# Allegro board ad-fmcmotcon1-ebz_layout.brd (continued)
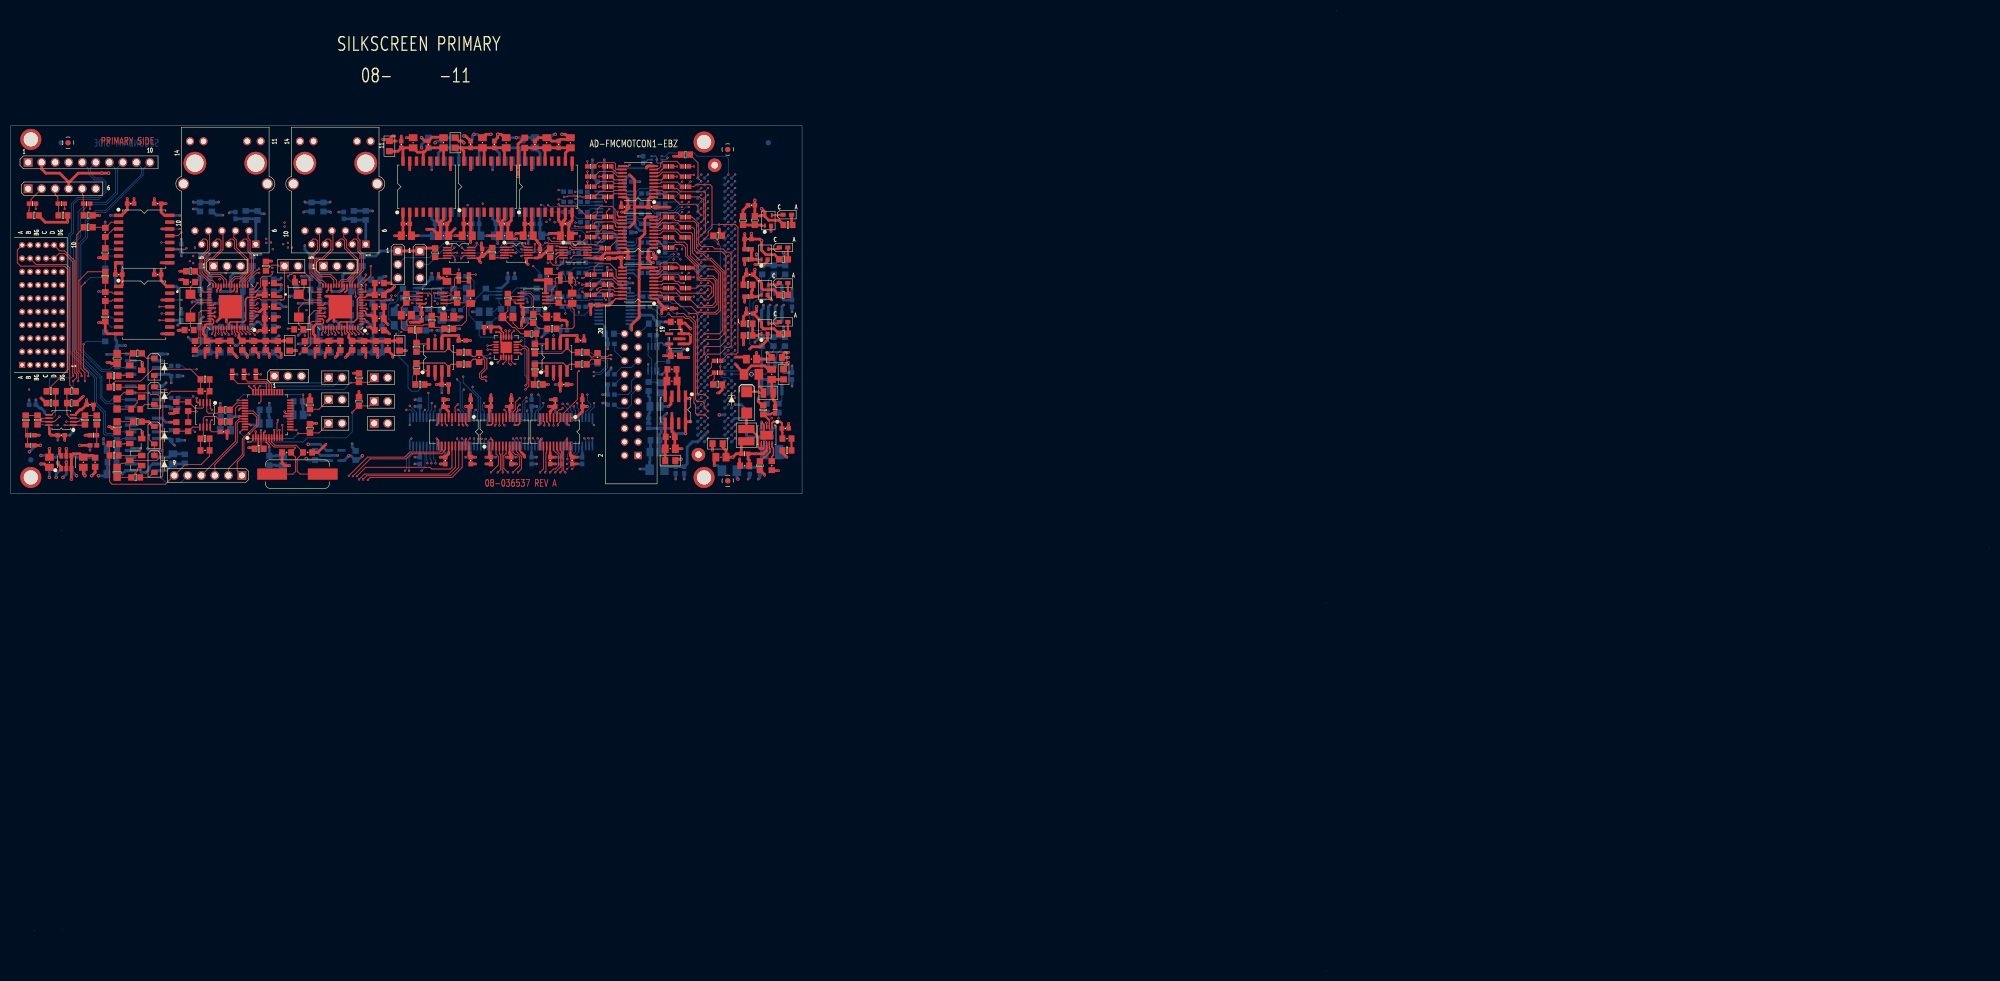
[diagram p0: board, top side]
## Routing (per net, layer and track width the routed paths; a pad name or vN(x,y) marks a point on that pad's centre or on a via; arc(x,y) is an arc through that point) (continued)
  BOTTOM w0.152: P1.G21 v1(130.9,124.08)
PHY2_TX_CLK: length 127.9
  TOP w0.152: v1(64.02,119.52) 64.02,119.66 63.64,120.04 U29.53
  L4_SIGV w0.152: v1(75.41,125.35) 75.41,123.44 74.4,122.43 74.4,119.51 72.62,117.73 65.41,117.73 64.02,119.11 v1(64.02,119.52)
  L5_SIGH w0.152: v1(75.41,125.35) 75.82,125.35 75.95,125.48 76.68,125.48 76.94,125.22 76.94,124.71 76.61,124.39 73.83,124.39 73.51,124.71 73.51,126.49 73.89,126.87 76.56,126.87 77.32,127.63 103.73,127.63 105.89,125.48 111.99,125.48 112.75,126.24 127.93,126.24 128.24,125.92 132.12,125.92 132.75,125.29 133.64,125.29 134.21,124.71 136.63,124.71 136.88,124.97 138.02,124.97 138.81,125.76 138.81,129.9 138.96,130.05 139.27,130.05 139.42,129.9 139.42,125.76 139.57,125.6 139.88,125.6 140.03,125.76 140.03,127.99 140.18,128.14 140.49,128.14 140.64,127.99 140.64,126.01 140.79,125.86 141.2,125.86 141.33,125.98 141.33,130.56 141.07,130.81 138.36,130.81 138.15,130.6 138.15,126.36 137.9,126.11 135.47,126.11 v1(134.71,125.35)
  BOTTOM w0.152: P1.D20 v1(134.71,125.35)
PHY2_TX_CTRL: length 127.9
  TOP w0.152: v1(66.14,119.51) 65.71,119.93 65.64,119.93 65.14,120.43 U29.56
  L4_SIGV w0.152: v1(66.14,119.51) 66.78,118.87 71.03,118.87 72.24,120.08 v1(72.24,126.75)
  L5_SIGH w0.152: v1(134.71,124.08) 135.11,124.08 135.62,123.57 138.91,123.57 139.11,123.37 139.11,122.5 138.91,122.3 135.61,122.3 135.23,122.68 135.23,122.94 134.85,123.32 134.28,123.32 132.94,124.65 128.88,124.65 127.61,125.92 113.7,125.92 112.24,124.46 106.4,124.46 103.61,127.25 80.87,127.25 80.19,126.57 79.27,126.57 78.59,127.25 77.7,127.25 77.34,126.89 77.34,122.96 76.56,122.17 74.65,122.17 74.52,122.05 74.52,121.41 74.2,121.09 71.67,121.09 71.48,121.28 71.48,121.67 71.6,121.79 73.51,121.79 73.63,121.92 73.63,122.3 73.51,122.43 69.44,122.43 69.25,122.62 69.25,123.25 69.35,123.35 76.66,123.35 76.81,123.5 76.81,123.93 76.66,124.08 69.27,124.08 69.19,124.17 69.19,124.84 69.32,124.97 71.73,124.97 72.24,125.48 v1(72.24,126.75)
  BOTTOM w0.152: P1.D21 v1(134.71,124.08)
PHY2_TXD_0: length 128
  TOP w0.152: U29.50 62.14,119.88 62.2,119.81 v1(62.2,119.38)
  L4_SIGV w0.152: v1(62.2,119.38) 64.62,116.97 72.87,116.97 78.62,122.72 78.62,126.49 v1(78.33,126.78)
  L5_SIGH w0.152: v1(134.71,121.54) 135.23,121.54 135.86,120.9 140.94,120.9 141.33,120.52 141.33,111.38 141.2,111.25 140.69,111.25 140.56,111.38 140.56,119 140.06,119.51 135.86,119.51 135.48,119.89 135.48,120.27 134.98,120.78 133.07,120.78 131.8,122.05 130.72,122.05 130.15,121.48 130.15,121.16 129.83,120.84 129.51,120.84 128.75,120.08 128.75,117.58 128.33,117.15 123.11,117.15 122.78,117.47 122.78,121.16 120.5,123.44 112.75,123.44 111.61,122.3 106.46,122.3 104.91,123.86 103.77,123.86 103.1,123.19 100.05,123.19 97.13,126.11 94.46,126.11 93.7,125.35 82.65,125.35 81.51,124.21 80.24,124.21 78.62,125.82 78.62,126.49 v1(78.33,126.78)
  BOTTOM w0.152: P1.D23 v1(134.71,121.54)
PHY2_TXD_1: length 127.6
  TOP w0.152: v1(62.84,119.57) 62.64,119.77 U29.51
  L4_SIGV w0.152: v1(62.84,119.57) 65.06,117.35 72.75,117.35 77.13,121.73 77.13,125.29 v1(77.95,126.11)
  L5_SIGH w0.152: v1(77.95,126.11) 78.24,125.82 78.24,125.7 80.11,123.83 81.64,123.83 82.78,124.97 97.38,124.97 99.57,122.78 105.35,122.78 106.21,121.92 111.73,121.92 112.88,123.06 120.37,123.06 122.4,121.03 122.4,116.71 122.91,116.2 127.81,116.2 129.13,117.53 129.13,119.13 130.15,120.14 130.15,120.52 130.4,120.78 132.31,120.78 135.23,117.86 135.23,117.47 135.61,117.09 137.01,117.09 138.02,116.08 138.02,105.92 138.35,105.59 138.99,105.59 139.32,105.92 139.32,117.71 138.28,118.75 136.88,118.75 136.63,118.49 135.74,118.49 135.48,118.75 135.48,119.08 134.71,119.86 v1(134.71,120.27)
  BOTTOM w0.152: P1.D24 v1(134.71,120.27)
PHY2_TXD_2: length 127.9
  TOP w0.152: v1(64.74,119.38) 64.46,119.67 64.46,119.73 64.14,120.05 U29.54
  L4_SIGV w0.152: v1(64.74,119.38) 66.01,118.11 72.49,118.11 73.32,118.94 v1(73.32,119.89)
  L5_SIGH w0.152: v1(73.32,119.89) 75.86,119.89 78.17,122.21 86.24,122.21 87.99,123.95 97,123.95 99.29,121.67 104.56,121.67 105.38,120.84 112.37,120.84 113.64,122.11 119.8,122.11 120.69,121.22 120.69,117.67 121.39,116.97 121.39,110.67 122.28,109.78 124.74,109.78 129.51,114.55 131.29,114.55 131.8,114.05 131.8,100.46 132.82,99.44 136.25,99.44 137.26,100.46 137.26,113.72 136.55,114.43 134.47,114.43 134.08,114.82 134.08,117.1 v1(134.71,117.73)
  BOTTOM w0.152: P1.D26 v1(134.71,117.73)
PHY2_TXD_3: length 127
  TOP w0.152: v1(65.38,119.57) 64.64,120.31 U29.55
  L4_SIGV w0.152: v1(65.38,119.57) 66.46,118.49 71.92,118.49 72.36,118.94 v1(72.36,119.57)
  L5_SIGH w0.152: v1(134.71,116.46) 135.34,115.82 137.34,115.82 137.64,115.52 137.64,98.55 137.39,98.3 131.93,98.3 131.42,98.81 131.42,113.16 131.29,113.28 129.51,113.28 125.7,109.47 122.15,109.47 121.01,110.62 121.01,116.84 120.37,117.47 120.37,121.03 119.61,121.79 113.96,121.79 112.69,120.52 99.99,120.52 96.94,123.57 88.11,123.57 86.33,121.79 78.4,121.79 75.86,119.25 72.68,119.25 v1(72.36,119.57)
  BOTTOM w0.152: P1.D27 v1(134.71,116.46)
PHY2_VDD_3V3: length 69.3
  TOP w0.254: v1(59.03,124.33) 58.96,124.4 U29.36
  L4_SIGV w0.152: P15.11 66.45,156.84 57.96,156.84 P15.13 55.73,156.84 53.31,156.84 51.28,154.81 51.28,141.35 52.3,140.34 52.3,138.87 54.2,136.96 54.2,135.76 57,132.97 57,127.76 58.27,126.49 58.27,125.09 v1(59.03,124.33)
  BOTTOM w0.508: C152.1 57.76,118.52 57.76,120.21 58.08,120.52 E5.2 ; C152.1 C165.1 ; C152.1 C146.1 C158.1 ; E5.2 C170.1 ; E5.2 57.44,121.48 57.44,123.33 58.45,124.33 v1(59.03,124.33)
PHY2_VDDO: length 27.1
  TOP w0.254: 63.16,121.79 64.43,121.79 65.06,122.43 65.06,126.08 65.38,126.4 U29.11 66.54,126.4 66.97,126.83 ; 63.16,121.79 61.89,121.79 61.64,121.54 U29.49 ; 63.16,121.79 63.14,121.77 U29.52 63.14,120 63.47,119.66 63.47,119.25
  TOP w0.508: E4.2 71.96,118.3 71.86,118.2 C174.1 C171.1 C166.1 C159.1 63.47,118.83 63.47,119.25 ; 66.97,126.83 67.01,126.87 C176.1 C178.1
PHY_VDDO_SEL: length 44.2
  TOP w0.152: U28.10 45.99,125.9 46.33,126.24 46.65,126.24 46.96,125.92 v1(50.77,125.92) 51.17,125.92 51.41,126.16 P14.1 50.36,132.27 50.16,132.46 49.01,132.46 47.97,131.42 R198.2 ; U29.10 71.04,125.9 71.48,126.34 v1(71.48,126.75)
  L5_SIGH w0.152: v1(71.48,126.75) 65.51,126.75 65.27,126.99 63.72,126.99 62.65,125.92 v1(50.77,125.92)
POWER_ON_RESET_N: length 31.7
  TOP w0.152: R65.1 111.42,126.24 v1(111.73,125.92)
  L4_SIGV w0.152: v1(111.73,125.92) 110.21,124.4 110.21,123.13 106.78,119.7 106.78,115.25 103.35,111.82 103.35,110.24 102.53,109.41 101.57,109.41 99.03,106.87 97.45,106.87 96.3,105.73 95.99,105.73 v1(95.54,105.28)
  BOTTOM w0.152: v1(95.54,105.28) 95.22,104.97 U45.3
POWER_ON_RESET_N_ISO: length 56.2
  TOP w0.152: v1(46.65,106.55) 46.98,106.89 U26.33
  L4_SIGV w0.152: v1(46.65,106.55) 46.65,104.2 47.98,102.87 54.78,102.87 56.43,101.22 67.54,101.22 68.43,100.33 94.59,100.33 v1(94.97,99.95)
  BOTTOM w0.152: v1(94.97,99.95) 95.22,99.69 U45.18
PWM_AH: length 59
  TOP w0.152: v1(84.94,102.36) 84.75,102.55 U5.3
  L4_SIGV w0.152: v1(84.94,102.36) 85.83,103.25 89.76,103.25 92.37,105.85 92.37,107.63 100.94,116.2 100.94,124.97 104.37,128.4 104.37,130.81 104.85,131.29 106.63,131.29 108.31,132.97 108.31,137.29 106.65,138.94 103.35,138.94 v1(101.96,137.54)
  BOTTOM w0.152: v1(101.96,137.54) 102.62,137.54 103.44,136.72 R47.1
PWM_AH_ISO: length 104.9
  TOP w0.152: v1(67.03,92.13) 67.49,92.58 82.84,92.58 84.75,94.49 U5.18
  L5_SIGH w0.152: v1(67.03,92.13) 65.9,91 23.41,91 16.99,97.41 16.99,110.11 14.83,112.27 4.42,112.27 3.97,112.72 3.15,112.72 P2.A1
PWM_AL: length 51.3
  TOP w0.152: U5.4 v1(84.11,102.43)
  L4_SIGV w0.152: v1(84.11,102.43) 85.32,103.63 89.51,103.63 91.92,106.05 91.92,107.82 100.62,116.52 100.62,125.49 103.86,128.73 103.86,131.06 104.39,131.6 106.17,131.6 107.12,132.55 107.12,137.63 v1(106.83,137.92)
  BOTTOM w0.152: v1(106.83,137.92) 106.83,136.89 R35.1
PWM_AL_ISO: length 103.4
  TOP w0.152: v1(66.14,92.2) 66.84,92.9 82.52,92.9 84.11,94.49 U5.17
  L5_SIGH w0.152: P2.B1 4.21,113.16 4.21,113.12 4.74,112.59 16.68,112.59 17.88,111.38 17.88,97.16 23.72,91.31 65.25,91.31 v1(66.14,92.2)
PWM_BH: length 41.9
  TOP w0.152: v1(83.92,106.3) 83.41,105.79 83.41,104.93 83.48,104.86 U5.5
  L4_SIGV w0.152: v1(100.81,132.84) 91.8,123.83 91.8,116.14 89.76,114.11 89.76,110.49 89,109.73 89,108.2 87.48,106.68 84.3,106.68 v1(83.92,106.3)
  BOTTOM w0.152: v1(100.81,132.84) 100.81,133.36 101.43,133.99 102.62,133.99 103.44,134.81 R48.1
PWM_BH_ISO: length 104.4
  TOP w0.152: U5.16 83.48,94.49 82.21,93.22 66.4,93.22 v1(65.38,92.2)
  L5_SIGH w0.152: v1(65.38,92.2) 64.81,91.63 25.95,91.63 19.15,98.42 19.15,111.51 16.99,113.66 15.09,113.66 13.94,114.81 9.19,114.81 9.18,114.8 3.57,114.8 P2.A2
PWM_BL: length 48.5
  TOP w0.152: U5.6 v1(82.84,102.43)
  L4_SIGV w0.152: v1(82.84,102.43) 84.43,104.01 89.19,104.01 91.54,106.36 91.54,108.27 98.72,115.44 98.72,125.03 103.1,129.41 103.1,130.94 104.11,131.95 105.7,131.95 106.34,132.59 106.34,134.18 v1(105.69,134.82)
  BOTTOM w0.152: v1(105.69,134.82) 105.77,134.75 106.59,134.75 R36.1
PWM_BL_ISO: length 102.1
  TOP w0.152: v1(65,92.84) 66.65,94.49 78.71,94.49 79.03,94.17 82.52,94.17 82.84,94.49 U5.15
  L5_SIGH w0.152: v1(65,92.84) 64.11,91.95 47.6,91.95 45.31,94.23 24.1,94.23 19.53,98.81 19.53,111.63 17.12,114.05 15.34,114.05 14.26,115.13 4.74,115.13 P2.B2
PWM_CH: length 44.3
  TOP w0.152: U5.8 81.57,102.68 v1(81.89,102.36)
  L4_SIGV w0.152: v1(102.59,131.83) 102.59,129.41 98.4,125.22 98.4,115.76 91.1,108.46 91.1,106.55 88.94,104.39 83.52,104.39 81.89,102.77 v1(81.89,102.36)
  BOTTOM w0.152: v1(102.59,131.83) 102.88,132.12 102.88,132.35 103.44,132.91 R49.1
PWM_CH_ISO: length 102.6
  TOP w0.152: U5.13 81.57,97.85 81.38,97.66 81.38,97.47 80.94,97.03 75.22,97.03 74.27,96.08 67.48,96.08 v1(64.24,92.84)
  L5_SIGH w0.152: v1(64.24,92.84) 63.67,92.27 47.92,92.27 45.57,94.61 24.49,94.61 20.04,99.06 20.04,114.68 19.5,115.22 15.12,115.22 14.26,116.08 12.29,116.08 11.02,117.35 3.52,117.35 P2.A3
PWM_CL: length 47.8
  TOP w0.152: U5.9 v1(80.94,102.43)
  L4_SIGV w0.152: v1(105.7,132.72) 102.84,132.72 102.08,131.95 102.08,129.41 98.08,125.41 98.08,116.08 90.65,108.65 90.65,106.74 88.68,104.78 83.29,104.78 v1(80.94,102.43)
  BOTTOM w0.152: v1(105.7,132.72) 105.89,132.91 R37.1
PWM_CL_ISO: length 100.1
  TOP w0.152: v1(63.47,92.9) 66.97,96.39 73.95,96.39 74.9,97.35 80.56,97.35 80.94,97.73 U5.12
  L5_SIGH w0.152: v1(63.47,92.9) 47.92,92.9 45.82,95 24.74,95 20.42,99.31 20.42,115.32 19.28,116.46 12.42,116.46 11.21,117.67 4.74,117.67 4.24,118.16 4.21,118.16 P2.B3
PWM_EN: length 42.5
  TOP w0.152: U44.3 103.8,104.65 106.37,107.22 106.37,112.3 v1(106.65,112.59)
  L4_SIGV w0.152: v1(106.65,129.1) 105.7,130.05 105.7,130.37 106.02,130.68 109.83,130.68 113.32,127.19 113.32,123.51 108.94,119.13 108.94,115.51 106.65,113.22 v1(106.65,112.59)
  BOTTOM w0.152: R50.1 104.11,130.37 104.11,129.73 104.43,129.41 106.34,129.41 v1(106.65,129.1)
PWM_EN_ISO: length 122.3
  TOP w0.152: v1(104.11,93.54) 103.8,93.85 U44.18
  L4_SIGV w0.152: v1(104.11,93.54) 103.48,94.17 98.4,94.17 96.81,92.58 70.14,92.58 68.62,94.11 45.44,94.11 44.55,95 23.28,95 20.29,97.98 20.29,114.23 19.47,115.06 17.75,115.06 16.1,116.71 12.45,116.71 11.49,117.67 9.2,117.67 P2.D3
RDC_VEXC: length 74.4
  TOP w0.152: v1(34.9,104.97) 33.63,104.97 33.53,105.07 R162.1 R163.1 ; C81.2 37.76,101.16 37.46,101.45 A4.8 37.46,103.08 v1(37.76,103.38) ; R170.1 20.03,94.49 20.79,95.25 21.56,95.25 22.07,95.76 Q3.3 27.42,95.76 27.91,96.25 27.91,107.82 27.6,108.14 26.33,108.14 v1(26.01,108.46) 23.47,108.46 23.34,108.58 Q1.3 21.3,108.58 20.03,107.31 R166.1
  L4_SIGV w0.152: P18.2 50.77,112.9 46.65,112.9 44.11,110.36 44.11,104.08 43.41,103.38 v1(37.76,103.38) 36.17,104.97 v1(34.9,104.97) 34.58,105.28 26.96,105.28 26.01,106.24 v1(26.01,108.46)
RDC_VEXT: length 22.4
  L4_SIGV w0.152: P19.1 65.19,105.79 55.35,105.79 P18.1
RES0: length 19.5
  TOP w0.152: U26.48 43.54,101.58 43.15,101.2 43.15,101.14 v1(43.03,101.02) ; v1(53.95,100.84) 56.07,100.84 R152.2 57.86,100.94 P4.1
  BOTTOM w0.152: v1(43.03,101.02) 44.16,99.89 53,99.89 v1(53.95,100.84)
RES1: length 30.5
  TOP w0.152: v1(44.55,99.25) 45.1,99.25 45.48,99.63 U26.1 ; v1(64.11,104.76) 64.4,105.05 64.4,105.09 65.33,106.02 R154.2 67.39,106.02 P6.1
  BOTTOM w0.152: v1(64.11,104.76) 64.11,101.16 62.98,100.03 55.7,100.03 54.92,99.25 v1(44.55,99.25)
SAMPLE_N: length 29.6
  TOP w0.152: v1(107.29,127.48) 107.9,126.87 R61.1
  L4_SIGV w0.152: v1(96.81,107.57) 96.81,107.98 104.16,115.33 104.16,119.62 107.29,122.75 v1(107.29,127.48)
  BOTTOM w0.152: v1(96.81,107.57) 96.11,106.87 96.11,104.9 95.99,104.78 95.99,103.95 U45.4
SAMPLE_N_ISO: length 52.4
  TOP w0.152: U26.10 49.98,102.83 50.14,102.98 v1(50.14,103.38)
  L4_SIGV w0.152: v1(95.73,99.95) 94.97,100.71 68.55,100.71 65.25,104.01 58.01,104.01 57.38,103.38 v1(50.14,103.38)
  BOTTOM w0.152: v1(95.73,99.95) 95.86,99.82 U45.17
SENSOR_A: length 3
  TOP w0.152: U20.8 110.11,134.81 110.93,135.64 110.97,135.64
SENSOR_B: length 17
  TOP w0.152: v1(98.4,136.4) 98.4,135.02 98.19,134.81 U25.8 ; v1(105.69,136.32) 109.97,136.32 111.38,137.73 R44.1
  L5_SIGH w0.152: v1(98.4,136.4) 98.91,135.89 100.3,135.89 101.11,136.7 104.91,136.7 105.28,136.32 v1(105.69,136.32)
SENSOR_C: length 28.8
  TOP w0.152: v1(100.94,137.54) 101.57,136.91 107.38,136.91 108.2,137.73 R32.1 ; v1(84.73,134.75) U21.8
  BOTTOM w0.152: v1(100.94,137.54) 100.94,136.4 99.67,135.13 96.88,135.13 95.99,136.02 95.61,136.02 95.1,136.53 93.19,136.53 91.41,134.75 v1(84.73,134.75)
SENSOR_MUX_ADR_0: length 35.8
  TOP w0.152: U25.1 94.07,135.81 v1(94.34,136.08) ; v1(82.81,136.4) 82.81,136.04 82.51,135.75 U21.1 ; U20.1 103.18,135.81 102.97,136.02 v1(102.46,136.02)
  BOTTOM w0.152: v1(102.46,136.02) 101.19,136.02 99.99,134.81 95.61,134.81 v1(94.34,136.08) 93.93,136.08 92.02,134.18 83.1,134.18 82.65,134.62 82.65,135.84 82.81,135.99 v1(82.81,136.4) 82.27,136.4 78.46,132.59 P9.2
SENSOR_MUX_ADR_1: length 43.7
  TOP w0.152: U20.10 105.59,135.81 104.91,136.49 100.92,136.49 100.76,136.65 v1(100.36,136.65) ; U25.10 96.48,135.81 95.99,136.31 v1(95.99,136.53) ; U21.10 87.1,135.75 87.48,136.13 v1(87.48,136.65)
  BOTTOM w0.152: v1(100.36,136.65) 99.15,135.45 97.07,135.45 v1(95.99,136.53) 95.61,136.91 92.88,136.91 91.73,135.76 88.37,135.76 v1(87.48,136.65) 86.82,135.99 85.98,135.99 85.06,136.91 81.64,136.91 78.59,133.86 73.95,133.86 P20.2
SIN: length 16
  TOP w0.152: P16.1 42.52,93.85 42.52,95.44 43.79,96.71 43.79,99.69 46.46,102.36 46.46,104.14 45.52,105.08 U26.41
SIN_LO: length 15.6
  TOP w0.152: U26.42 45.51,104.58 46.15,103.94 46.15,102.49 43.47,99.81 43.47,96.86 40.87,94.26 40.87,92.96
SPI1_MISO: length 30.4
  TOP w0.152: R62.1 v1(107.29,128.78)
  L4_SIGV w0.152: v1(107.29,128.78) 107.92,128.14 107.92,122.75 104.5,119.32 104.5,114.55 99.03,109.09 v1(99.03,108.14)
  BOTTOM w0.152: v1(99.03,108.14) 99.35,107.82 99.35,105.79 98.53,104.96 98.53,104.65 98.4,104.52 U45.8
SPI1_MISO_ISO: length 52.5
  TOP w0.152: U26.11 50.48,100.89 50.46,100.92 v1(50.46,101.47)
  L4_SIGV w0.152: v1(98.02,99.95) 96.49,98.42 68.17,98.42 66.4,100.2 51.73,100.2 v1(50.46,101.47)
  BOTTOM w0.152: U45.13 98.4,99.57 v1(98.02,99.95)
SPI1_MOSI: length 32.3
  TOP w0.152: R66.1 111.35,128.78 110.85,128.27 110.46,128.27 v1(110.08,127.89)
  L4_SIGV w0.152: v1(110.08,127.89) 108.31,126.11 108.31,122.49 104.88,119.06 104.88,113.98 102.84,111.95 102.84,111.32 98.88,107.35 97.31,107.35 v1(96.83,106.87)
  BOTTOM w0.152: v1(96.83,106.87) 96.49,106.53 U45.5
SPI1_MOSI_ISO: length 51
  TOP w0.152: U26.12 v1(50.98,102.43)
  L4_SIGV w0.152: v1(50.98,102.43) 53.95,102.43 55.54,100.84 66.78,100.84 68.43,99.19 95.73,99.19 v1(96.49,99.95)
  BOTTOM w0.152: U45.16 v1(96.49,99.95)
SPI1_SCK: length 39.7
  TOP w0.152: v1(112.75,131.57) 112.24,131.57 111.42,130.75 R67.1
  L4_SIGV w0.152: v1(112.75,131.57) 113.64,130.68 113.64,123.32 109.32,119 109.32,115.25 107.29,113.22 107.29,110.68 104.56,107.95 103.29,107.95 101.89,106.55 100.62,106.55 99.12,105.05 97.44,105.05 97.36,105.13 v1(96.95,105.13)
  BOTTOM w0.152: v1(96.95,105.13) 96.95,104.65 97.13,104.47 U45.6
SPI1_SCK_ISO: length 47.9
  TOP w0.152: U26.13 52.6,101.47 v1(53.63,101.47)
  L4_SIGV w0.152: v1(97.26,99.95) 96.11,98.81 68.3,98.81 66.59,100.52 55.22,100.52 54.27,101.47 v1(53.63,101.47)
  BOTTOM w0.152: U45.15 97.13,99.82 v1(97.26,99.95)
SPI1_SEL1_RDC: length 38.1
  TOP w0.152: v1(107.29,130.05) 107.61,130.05 R63.1
  L4_SIGV w0.152: v1(107.29,130.05) 109.83,130.05 113,126.87 113,123.83 108.56,119.38 108.56,115.76 104.5,111.7 104.5,109.35 103.48,108.33 101.77,108.33 v1(99.99,106.55)
  BOTTOM w0.152: U45.9 99.03,105.04 99.99,105.99 v1(99.99,106.55)
SPI1_SEL1_RDC_ISO: length 59.8
  TOP w0.152: v1(46.96,101.47) 46.96,101.08 46.98,101.06 U26.4 46.98,98.49 R150.2
  L4_SIGV w0.152: v1(98.91,99.95) 97,98.04 67.92,98.04 66.08,99.89 47.92,99.89 46.96,100.84 v1(46.96,101.47)
  BOTTOM w0.152: v1(98.91,99.95) 99.03,99.82 U45.12
UNNAMED_2_ADG3308V2_I67_A1: length 2.4
  TOP w0.152: R1.2 122.26,145.87 U1.2
UNNAMED_2_ADG3308V2_I67_A2: length 5.8
  TOP w0.152: R14.2 125.98,145.29 125.03,146.24 122.55,146.24 122.27,146.52 U1.3
UNNAMED_2_ADG3308V2_I67_A3: length 2.2
  TOP w0.152: R2.2 122.15,147.19 122.13,147.17 U1.4
UNNAMED_2_ADG3308V2_I67_A4: length 5.8
  TOP w0.152: U1.5 121.89,147.82 122.13,148.06 125.11,148.06 125.98,147.19 R15.2
UNNAMED_2_ADG3308V2_I67_A5: length 2.4
  TOP w0.152: R3.2 122.22,148.47 U1.6
UNNAMED_2_ADG3308V2_I67_A6: length 6
  TOP w0.152: R16.2 125.98,149.1 125.16,149.92 122.34,149.92 121.64,149.22 121.39,149.22 121.28,149.12 U1.7
UNNAMED_2_ADG3308V2_I67_A7: length 2.7
  TOP w0.152: U1.8 121.3,149.77 121.39,149.86 121.7,149.86 122.22,150.38 122.22,150.42 122.81,151 R4.2
UNNAMED_2_ADG3308V2_I67_A8: length 6.7
  TOP w0.152: R17.2 125.98,151 125.03,151.96 122.34,151.96 122.02,151.64 122.02,150.97 121.67,150.62 121.51,150.62 121.31,150.42 U1.9
UNNAMED_2_ADG3308V2_I67_Y1: length 2.4
  TOP w0.152: R40.2 113.27,145.87 U1.19
UNNAMED_2_ADG3308V2_I67_Y2: length 5.8
  TOP w0.152: R27.2 109.55,145.29 110.57,146.3 113.13,146.3 113.35,146.52 U1.18
UNNAMED_2_ADG3308V2_I67_Y3: length 2.2
  TOP w0.152: U1.17 113.37,147.17 113.35,147.19 R41.2
UNNAMED_2_ADG3308V2_I67_Y4: length 5.9
  TOP w0.152: U1.16 113.33,147.82 113,148.15 110.5,148.15 109.55,147.19 R28.2
UNNAMED_2_ADG3308V2_I67_Y5: length 2.4
  TOP w0.152: R42.2 112.73,149.1 113.35,148.47 U1.15
UNNAMED_2_ADG3308V2_I67_Y6: length 6.1
  TOP w0.152: R29.2 109.55,149.1 110.5,150.05 113,150.05 113.93,149.12 U1.14
UNNAMED_2_ADG3308V2_I67_Y7: length 2.8
  TOP w0.152: R43.2 112.69,150.84 113.75,149.77 U1.13
UNNAMED_2_ADG3308V2_I67_Y8: length 6.7
  TOP w0.152: U1.12 113.66,150.42 113.51,150.57 113.51,151.51 113.26,151.76 110.31,151.76 109.55,151 R30.2
UNNAMED_2_ADG3308V2_I75_A2: length 2.7
  TOP w0.152: U2.3 121.61,137 122.22,136.39 122.22,136.35 122.81,135.76 R18.2
UNNAMED_2_ADG3308V2_I75_A3: length 2.2
  TOP w0.152: R5.2 122.15,137.67 122.13,137.65 U2.4
UNNAMED_2_ADG3308V2_I75_A4: length 6
  TOP w0.152: U2.5 121.89,138.3 122.45,138.86 124.79,138.86 125.98,137.67 R19.2
UNNAMED_2_ADG3308V2_I75_A5: length 2.4
  TOP w0.152: U2.6 121.96,138.95 122.36,139.34 122.62,139.34 R6.2
UNNAMED_2_ADG3308V2_I75_A6: length 6
  TOP w0.152: U2.7 121.5,139.6 122.32,140.42 125.14,140.42 125.98,139.57 R20.2
UNNAMED_2_ADG3308V2_I75_A7: length 2.7
  TOP w0.152: R7.2 122.81,141.48 121.58,140.25 U2.8
UNNAMED_2_ADG3308V2_I75_A8: length 6.8
  TOP w0.152: U2.9 121.63,140.9 121.89,141.16 121.89,142.11 122.09,142.31 125.15,142.31 125.98,141.48 R21.2
UNNAMED_2_ADG3308V2_I75_Y2: length 3.2
  TOP w0.152: R31.2 112.28,135.64 113.64,137 U2.18
UNNAMED_2_ADG3308V2_I75_Y3: length 2.2
  TOP w0.152: R44.2 112.77,137.65 U2.17
UNNAMED_2_ADG3308V2_I75_Y4: length 5.7
  TOP w0.152: R32.2 110.21,138.43 113.38,138.43 113.51,138.3 U2.16
UNNAMED_2_ADG3308V2_I75_Y5: length 2.4
  TOP w0.152: U2.15 113.42,138.95 112.73,139.64 R45.2
UNNAMED_2_ADG3308V2_I75_Y6: length 6.7
  TOP w0.152: U2.14 113.72,139.6 113.51,139.8 113.51,140.21 113.13,140.59 109.84,140.59 109.51,140.26 R33.2
UNNAMED_2_ADG3308V2_I75_Y7: length 2.7
  TOP w0.152: R46.2 113.98,140.25 U2.13
UNNAMED_2_ADG3308V2_I75_Y8: length 8.7
  TOP w0.152: U2.12 113.78,140.9 113.44,141.24 113.44,142.95 112.88,143.51 110.7,143.51 110.08,142.9 110.08,142.11 R34.2
UNNAMED_2_ADG3308V2_I84_A1: length 6.8
  BOTTOM w0.152: U3.2 116.93,136.13 117.07,136.27 117.2,136.27 117.45,136.53 117.45,137.35 117.77,137.67 120.59,137.67 121.54,136.72 R8.2
UNNAMED_2_ADG3308V2_I84_A2: length 2.7
  BOTTOM w0.152: U3.3 116.92,135.48 117.07,135.64 117.28,135.64 118.36,136.72 R22.2
UNNAMED_2_ADG3308V2_I84_A3: length 5.9
  BOTTOM w0.152: R9.2 121.54,134.81 120.83,135.52 117.72,135.52 117.2,135 117.07,135 116.9,134.83 U3.4
UNNAMED_2_ADG3308V2_I84_A4: length 2.4
  BOTTOM w0.152: R23.2 117.77,134.18 U3.5
UNNAMED_2_ADG3308V2_I84_A5: length 5.9
  BOTTOM w0.152: R10.2 121.54,132.91 120.59,133.86 118.02,133.86 117.7,133.53 U3.6
UNNAMED_2_ADG3308V2_I84_A6: length 2.2
  BOTTOM w0.152: U3.7 117.68,132.88 117.7,132.91 R24.2
UNNAMED_2_ADG3308V2_I84_A7: length 5.8
  BOTTOM w0.152: U3.8 117.74,132.23 118.27,131.71 120.83,131.71 121.54,131 R11.2
UNNAMED_2_ADG3308V2_I84_A8: length 2.4
  BOTTOM w0.152: R25.2 117.82,131.58 U3.9
UNNAMED_2_ADG3308V2_I84_Y1: length 9.2
  BOTTOM w0.152: U3.19 109.71,136.13 109.58,136.27 109.21,136.27 108.88,136.61 108.88,137.22 107.16,138.94 105.13,138.94 104.75,138.56 R47.2
UNNAMED_2_ADG3308V2_I84_Y2: length 3
  BOTTOM w0.152: U3.18 109.2,135.48 107.96,136.72 R35.2
UNNAMED_2_ADG3308V2_I84_Y3: length 6.3
  BOTTOM w0.152: R48.2 105.19,135.25 105.77,135.25 106.12,135.61 108.46,135.61 109.24,134.83 U3.17
UNNAMED_2_ADG3308V2_I84_Y4: length 2.7
  BOTTOM w0.152: R36.2 107.96,134.81 108.59,134.18 U3.16
UNNAMED_2_ADG3308V2_I84_Y5: length 6
  BOTTOM w0.152: R49.2 104.94,132.91 105.64,133.6 108.66,133.6 108.74,133.53 U3.15
UNNAMED_2_ADG3308V2_I84_Y6: length 2.5
  BOTTOM w0.152: U3.14 108.61,132.88 108.58,132.91 R37.2
UNNAMED_2_ADG3308V2_I84_Y7: length 6.2
  BOTTOM w0.152: U3.13 108.84,132.23 108.56,131.95 105.74,131.95 104.79,131 R50.2
UNNAMED_2_ADG3308V2_I84_Y8: length 2.7
  BOTTOM w0.152: U3.12 108.57,131.58 107.99,131 R38.2
UNNAMED_2_ADG3308V2_I193_A1: length 2.4
  TOP w0.152: R53.2 122.26,126.82 U4.2
UNNAMED_2_ADG3308V2_I193_A2: length 5.8
  TOP w0.152: R57.2 125.98,126.24 125,127.23 122.18,127.23 121.93,127.47 U4.3
UNNAMED_2_ADG3308V2_I193_A3: length 2.2
  TOP w0.152: R54.2 121.6,128.14 121.58,128.12 U4.4
UNNAMED_2_ADG3308V2_I193_A4: length 5.8
  TOP w0.152: U4.5 122.19,128.77 122.28,128.85 122.3,128.85 122.46,129.01 125.11,129.01 125.98,128.14 R58.2
UNNAMED_2_ADG3308V2_I193_A5: length 2.4
  TOP w0.152: U4.6 122.18,129.42 122.81,130.05 R55.2
UNNAMED_2_ADG3308V2_I193_A6: length 5.9
  TOP w0.152: U4.7 121.59,130.07 122.28,130.76 125.27,130.76 125.98,130.05 R59.2
UNNAMED_2_ADG3308V2_I193_A7: length 2.7
  TOP w0.152: R56.2 122.81,131.95 121.58,130.72 U4.8
UNNAMED_2_ADG3308V2_I193_A8: length 6.9
  TOP w0.152: U4.9 121.63,131.37 121.89,131.64 121.89,132.59 122.21,132.91 125.03,132.91 125.98,131.95 R60.2
UNNAMED_2_ADG3308V2_I193_Y1: length 2.2
  TOP w0.152: U4.19 113.44,126.82 113.39,126.87 R65.2
UNNAMED_2_ADG3308V2_I193_Y2: length 5.9
  TOP w0.152: U4.18 113.42,127.47 113.07,127.83 110.78,127.83 109.83,126.87 R61.2
UNNAMED_2_ADG3308V2_I193_Y3: length 2.4
  TOP w0.152: R66.2 112.73,128.78 113.38,128.12 U4.17
UNNAMED_2_ADG3308V2_I193_Y4: length 6.1
  TOP w0.152: U4.16 113.98,128.77 113.02,129.73 110.82,129.73 109.87,128.78 R62.2
UNNAMED_2_ADG3308V2_I193_Y5: length 2.7
  TOP w0.152: U4.15 113.96,129.42 113.33,130.05 113.32,130.05 R67.2
UNNAMED_2_ADG3308V2_I193_Y6: length 8.7
  TOP w0.152: R63.2 109.51,131.95 110.27,132.72 112.5,132.72 113.64,131.57 113.64,130.37 113.93,130.07 U4.14
UNNAMED_2_ADG3308V2_I297_A1: length 6.5
  BOTTOM w0.152: R223.2 120.62,146.88 118.08,146.88 117.45,146.24 117.45,145.81 117.29,145.66 U7.2
